# Altium PCB Waffling60-MX.PcbDoc (part 3 of 3)
Units mm, origin at the board's own origin, x right, y up, seen from the top; angles counter-clockwise.
Board outline 284.7 x 94.21 mm, 2 copper layers (Component Side, Bottom Layer), stack 1.571 mm thick; 201 components, 133 nets, 961 pads, 205 vias.
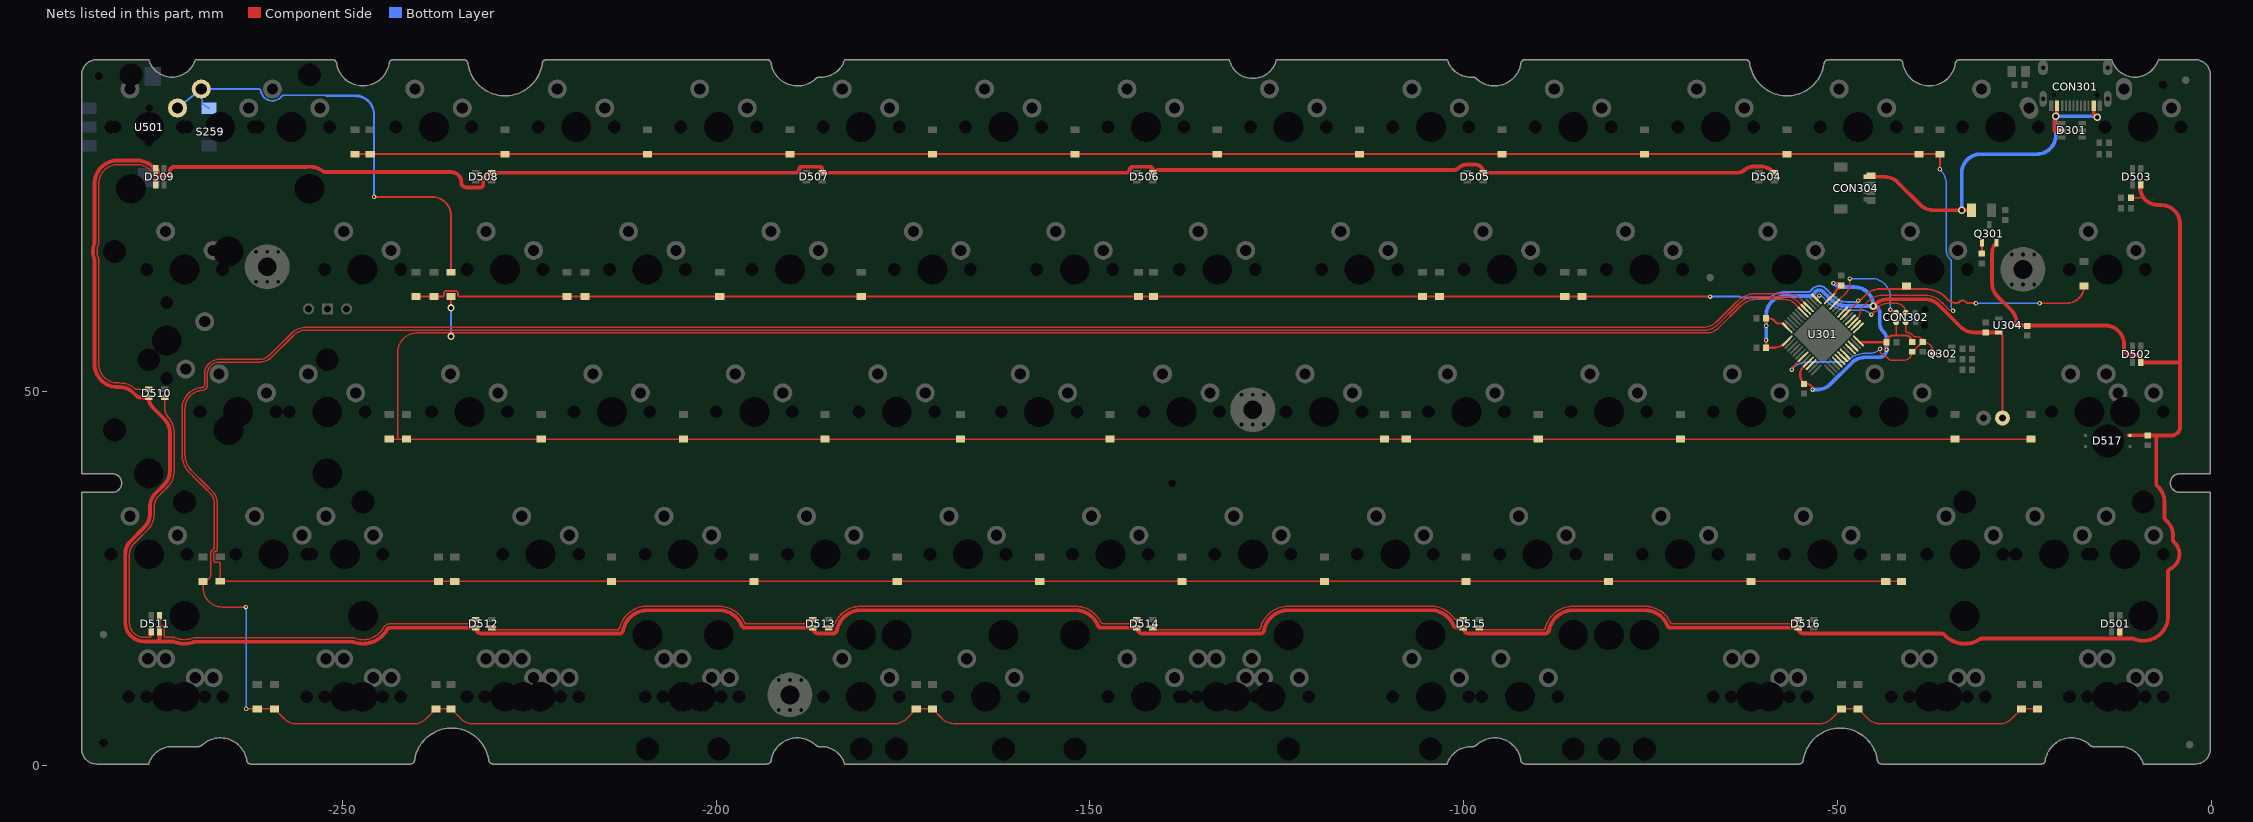
[diagram p3: the nets of this part, all layers, seen from the top]

## Via types
v1: diameter 0.6, hole 0.3, Component Side to Bottom Layer, tented both sides, 163 vias
v2: diameter 0.6, hole 0.3, Component Side to Bottom Layer, tented bottom, 25 vias
v3: diameter 1, hole 0.5, Component Side to Bottom Layer, tented both sides, 14 vias
v4: diameter 1, hole 0.6, Component Side to Bottom Layer, tented both sides, 3 vias

## Nets (pads, with @x,y where several pads share a name; then routed paths per layer and width w, separated by ;. In a path a pad name is that pad's centre, name@x,y a point inside that pad or via, vN(x,y) a via of type N, cw(c..) or ccw(c..) an arc to the next point about the centre after c; other vN are vias at no path point) (continued)
NetD509_2: D509.2 D510.4 | length 88.1
  Component Side w0.203: -282.599,67.832 cw(c-280.471,68.783) -282.599,69.734 ; -282.599,67.832 cw(c-282.784,67.749) -282.581,67.748 ; -282.599,67.832 cw(c-280.471,68.783) -282.599,69.734 ; -282.599,67.832 cw(c-282.784,67.749) -282.581,67.748 ; -282.599,69.734 ccw(c-282.784,69.817) -282.581,69.818 ; -282.599,69.734 ccw(c-282.784,69.817) -282.581,69.818 ; -282.581,53.721 ccw(c-280.041,53.721) -280.041,51.181 ; -282.581,53.721 ccw(c-280.041,53.721) -280.041,51.181 ; -282.581,53.721 -282.581,67.748 ; -282.581,53.721 -282.581,67.748 ; -282.581,69.818 -282.581,77.85 ; -282.581,69.818 -282.581,77.85 ; -282.581,77.85 cw(c-280.041,77.85) -280.041,80.39 ; -282.581,77.85 cw(c-280.041,77.85) -280.041,80.39 ; -280.041,51.181 cw(c-280.041,53.721) -280.629,51.25 ccw(c-280.041,53.721) -280.041,51.181 ; -280.041,51.181 -279.761,51.181 ; -280.041,51.181 -279.761,51.181 ; -280.041,80.39 -277.496,80.39 ; -280.041,80.39 -277.496,80.39 ; -279.761,51.181 cw(c-279.761,48.085) -277.689,50.386 ; -279.761,51.181 cw(c-279.761,48.085) -277.689,50.386 ; -277.689,50.386 ccw(c-277.554,50.537) -277.554,50.334 ; -277.689,50.386 ccw(c-277.554,50.537) -277.554,50.334 ; -277.554,50.334 D510.4@-275.899,50.334 ; -277.554,50.334 D510.4@-275.899,50.334 ; -277.496,80.39 cw(c-277.496,77.85) -275.664,79.609 ; -277.496,80.39 cw(c-277.496,77.85) -275.664,79.609 ; D510.4@-275.899,50.334 -276.002,50.437 D510.4@-275.899,50.334 ; -275.664,79.609 cw(c-275.811,79.469) -275.608,79.468 ; -275.664,79.609 cw(c-275.811,79.469) -275.608,79.468 ; -275.608,79.315 ccw(c-275.306,79.315) -275.343,79.016 ; -275.608,79.315 ccw(c-275.306,79.315) -275.343,79.016 ; -275.608,79.315 -275.608,79.468 ; -275.608,79.315 -275.608,79.468 ; -275.343,79.016 cw(c-275.367,78.814) -275.182,78.897 ; -275.343,79.016 cw(c-275.367,78.814) -275.182,78.897 ; -275.182,78.897 cw(c-277.496,77.85) D509.2@-274.956,77.85 ; -275.182,78.897 cw(c-277.496,77.85) D509.2@-274.956,77.85 ; D509.2@-274.956,77.85 D509.2@-274.956,77.685 D509.2@-274.956,77.85
NetD510_2: D510.2 D511.4 | length 37.2
  Component Side w0.203: D511.4@-275.556,17.935 -275.556,17.348 cw(c-275.759,17.348) -275.759,17.145 -276.485,17.145 cw(c-276.485,19.123) -278.463,19.123 -278.463,20.32 -278.463,28.285 cw(c-276.479,28.285) -277.881,29.689 -277.356,30.214 -276.067,31.503 ccw(c-278.257,33.691) -275.164,33.577 cw(c-274.961,33.567) -275.162,33.59 ccw(c-277.686,33.881) -275.146,33.881 -275.146,34.885 cw(c-273.177,34.635) -274.579,36.039 -273.864,36.755 -273.4,37.218 ccw(c-275.59,39.406) -272.532,38.928 ccw(c-275.59,39.406) -272.494,39.406 -272.494,44.541 ccw(c-275.59,44.541) -272.5,44.721 ; D510.2@-273.763,49.234 -273.763,47.948 ccw(c-271.603,47.948) -273.358,46.689 ccw(c-273.193,46.807) -273.342,46.669 ccw(c-273.193,46.807) -273.341,46.668 cw(c-275.59,44.541) -272.5,44.721
NetD511_2: D511.2 D512.4 | length 47.5
  Component Side w0.203: D511.2@-274.197,20.489 cw(c-274.396,20.449) -274.193,20.45 -274.193,20.328 cw(c-274.456,20.328) -274.207,20.242 D511.2@-274.456,20.065 -274.32,19.667 -274.32,18.92 ccw(c-274.117,18.92) -274.117,18.717 -274.106,18.717 cw(c-274.106,18.435) -273.824,18.435 -273.824,17.411 ccw(c-273.431,17.411) -273.802,17.279 ccw(c-273.61,17.348) -273.61,17.145 -272.511,17.145 cw(c-272.512,16.942) -272.429,17.127 ccw(c-271.118,20.01) -269.855,17.106 -248.546,17.106 cw(c-248.547,16.903) -248.517,17.104 cw(c-248.547,16.903) -248.469,17.09 ccw(c-247.242,20.01) -248.421,17.071 ccw(c-247.242,20.01) -246.938,16.858 ccw(c-246.938,17.543) -246.779,16.876 cw(c-246.733,16.679) -246.764,16.879 ccw(c-247.242,20.01) -245.556,17.329 ; -246.03,17.084 ccw(c-247.242,20.01) -244.482,18.457 ; -244.665,18.17 ccw(c-247.242,20.01) -244.484,18.453 cw(c-243.574,17.942) -244.482,18.457 ; D512.4@-232.154,19.55 -232.674,19.55 ccw(c-232.674,19.195) -233.029,19.195 cw(c-233.555,19.195) -233.029,19.184 cw(c-233.232,19.189) -233.231,18.986 -243.576,18.986 ccw(c-243.574,17.942) -244.482,18.457
NetD512_2: D512.2 D513.4 | length 45.8
  Component Side w0.203: D512.2@-230.024,18.45 -229.834,18.202 -229.834,18.189 ccw(c-229.821,18.392) -229.821,18.189 -213.125,18.189 ccw(c-213.126,18.392) -212.929,18.345 cw(c-209.174,17.47) -208.987,21.32 ccw(c-208.978,21.523) -208.979,21.32 -199.845,21.32 ccw(c-199.846,21.523) -199.837,21.32 cw(c-199.649,17.47) -199.649,21.325 cw(c-199.649,17.47) -197.027,20.296 cw(c-199.649,17.47) -196.157,19.102 ccw(c-195.973,19.189) -195.974,18.986 -188.024,18.986 ccw(c-188.024,19.304) -187.706,19.304 cw(c-187.46,19.304) -187.46,19.55 D513.4@-187.071,19.55
NetD513_2: D513.2 D514.4 | length 43.7
  Component Side w0.203: D513.2@-184.941,18.45 -184.496,18.45 ccw(c-184.496,19.431) -184.463,18.451 ccw(c-184.471,18.654) -184.277,18.593 cw(c-180.589,17.47) -182.35,20.899 cw(c-180.589,17.47) -180.594,21.325 -179.451,21.325 -152.037,21.325 cw(c-152.037,20.281) -152.023,21.325 cw(c-151.993,17.47) -149.934,20.729 ccw(c-149.826,20.901) -149.924,20.723 -149.857,20.686 cw(c-149.955,20.508) -149.811,20.652 -149.799,20.64 cw(c-149.943,20.497) -149.798,20.639 cw(c-151.993,17.47) -149.707,20.574 cw(c-151.993,17.47) -148.561,19.225 ccw(c-148.381,19.319) -148.525,19.176 cw(c-148.67,19.034) -148.509,19.158 -148.437,19.065 ccw(c-148.276,19.189) -148.277,18.986 -144.717,18.986 ccw(c-144.717,19.431) -144.272,19.431 cw(c-144.153,19.431) -144.153,19.55 D514.4@-143.721,19.55
NetD514_2: D514.2 D515.4 | length 43.7
  Component Side w0.203: D514.2@-141.591,18.45 -141.193,18.202 -127.397,18.202 ccw(c-127.398,18.405) -127.2,18.357 cw(c-123.449,17.47) -123.44,21.325 -104.44,21.325 cw(c-104.431,17.47) -104.422,21.325 -104.376,21.325 cw(c-104.376,20.281) -104.33,21.324 -104.304,21.323 -104.284,21.322 cw(c-104.431,17.47) -101.244,19.638 ccw(c-101.076,19.753) -101.078,19.55 D515.4@-100.071,19.55
NetD515_2: D515.2 D516.4 | length 45.8
  Component Side w0.203: D515.2@-97.941,18.45 -97.734,18.45 cw(c-97.734,18.247) -97.539,18.302 -97.536,18.202 -89.367,18.202 ccw(c-89.367,20.447) -89.29,18.203 ccw(c-89.298,18.406) -89.101,18.358 cw(c-85.349,17.47) -87.204,20.85 ; -87.457,20.698 cw(c-85.349,17.47) -85.326,21.325 -80.614,21.325 cw(c-80.59,17.47) -80.566,21.325 -75.848,21.325 cw(c-75.824,17.47) -75.821,21.325 -75.751,21.325 cw(c-75.75,19.288) -75.575,21.317 -75.537,21.314 -75.512,21.312 cw(c-75.824,17.47) -75.465,21.308 -75.425,21.304 cw(c-75.603,19.276) -75.288,21.288 -75.237,21.28 cw(c-75.824,17.47) -73.202,20.295 cw(c-75.824,17.47) -72.332,19.102 ccw(c-72.148,19.189) -72.15,18.986 -56.209,18.986 ccw(c-56.21,19.189) -56.007,19.177 cw(c-55.634,19.177) -55.634,19.55 D516.4@-55.288,19.55
NetQ301_1: Q301.1 R307.1 | length 1.5
  Component Side w0.254: R307.1@-30.734,68.468 ccw(c-30.734,68.534) -30.668,68.534 Q301.1@-30.668,69.92
NRST: C310.1 CON302.3 Q302.3 R303.2 U301.7 | length 29.1
  Component Side w0.203: v1@-56.134,52.959 v1(-56.134,52.967) -56.134,53.161 U301.7@-54.781,54.515 ; v1(-44.315,55.753) -44.315,55.692 -44.315,55.317 ccw(c-44.112,55.314) -44.196,55.129 cw(c-45.466,52.306) -43.277,54.494 -43.159,54.377 ccw(c-42.802,54.734) -42.854,54.232 ccw(c-42.802,54.734) -42.802,54.229 -41.158,54.229 ccw(c-41.158,55.357) -40.03,55.357 R303.2@-40.005,55.357 -39.682,55.655 -38.931,56.359 C310.1@-38.608,56.657 ; CON302.3@-40.894,59.309 -40.894,58.153 ccw(c-40.691,58.154) -40.717,57.953 cw(c-40.879,56.657) -40.302,57.828 cw(c-40.879,56.657) -39.796,57.386 ccw(c-39.628,57.5) -39.751,57.339 -39.37,57.339 cw(c-39.37,56.261) -38.608,57.023 C310.1@-38.608,56.657 ; Q302.3@-37.141,55.118 -37.141,55.19 ccw(c-38.608,55.19) C310.1@-38.608,56.657
  Bottom Layer w0.203: v1(-56.134,52.967) -55.859,53.242 cw(c-54.063,51.446) -54.063,53.986 -49.259,53.986 ccw(c-49.259,56.117) -48.714,54.057 ccw(c-48.767,54.253) -48.624,54.108 -48.49,54.242 ; -48.49,54.243 cw(c-46.319,52.07) -47.85,54.733 cw(c-46.319,52.07) -47.557,54.881 cw(c-46.319,52.07) -46.319,55.142 -45.593,55.142 ccw(c-45.593,56.751) -44.455,55.613 v1(-44.315,55.753)
PA0: U301.10
PA6: U301.16
PA7: U301.17
PA9: D215.2 D216.2 D217.2 D218.2 D219.2 D220.2 D221.2 D222.2 D223.2 D224.2 D225.2 D226.2 D227.2 D228.2 U301.30 | length 231
  Component Side w0.254: D227.2@-240.157,62.73 D228.2@-237.744,62.73 -236.629,62.73 ccw(c-236.629,62.984) -236.375,62.984 -236.375,63.185 cw(c-236.068,63.185) -236.068,63.492 -234.848,63.492 cw(c-234.848,63.185) -234.541,63.185 -234.541,62.992 ccw(c-234.287,62.992) -234.287,62.738 -220.447,62.738 D226.2@-219.964,62.73 D225.2@-217.551,62.73 D224.2@-199.517,62.73 D223.2@-180.594,62.73 D222.2@-143.51,62.73 D221.2@-141.478,62.73 D220.2@-105.537,62.73 D219.2@-103.251,62.73 D218.2@-86.487,62.73 D217.2@-84.201,62.73 -82.812,62.73 -82.804,62.738 v1(-67.056,62.738) ; U301.30@-48.806,60.49 v1@-47.315,61.98 ; v1@-47.182,62.264 -46.938,62.264 -46.198,63.004 cw(c-44.402,61.208) -44.402,63.748 -38.221,63.748 cw(c-38.221,61.347) -38.008,63.739 ccw(c-37.987,63.992) -38.006,63.738 cw(c-38.28,59.834) -35.716,62.791 ; -36.704,63.417 cw(c-38.28,59.834) -35.716,62.791 ; v1(-31.496,61.849) ccw(c-31.615,61.625) -31.615,61.879 -32.585,61.879 cw(c-32.584,62.133) -32.787,61.98 ccw(c-33.274,61.618) -33.761,61.98 cw(c-33.964,62.133) -33.963,61.879 -34.006,61.879 ccw(c-34.006,61.468) -34.008,61.879 -34.255,61.879 cw(c-34.255,63.169) -35.168,62.257 -35.509,62.599 ccw(c-38.28,59.834) -35.716,62.791 ; v1(-22.987,61.849) -19.32,61.849 ccw(c-19.32,64.151) D215.2@-17.018,64.151
  Bottom Layer w0.254: v1(-67.056,62.738) -63.107,62.738 -62.98,62.611 -59.124,62.611 ccw(c-59.126,62.865) -58.966,62.667 cw(c-57.008,60.268) -57.008,63.365 -53.794,63.365 ccw(c-53.795,63.619) -53.574,63.494 cw(c-52.451,62.865) -51.542,63.776 cw(c-52.451,62.865) -51.54,63.774 cw(c-52.451,62.865) -51.452,63.676 ccw(c-51.255,63.837) -51.415,63.64 cw(c-52.094,62.789) -51.326,63.56 cw(c-52.094,62.789) -51.324,63.558 cw(c-52.094,62.789) -51.323,63.557 -50.97,63.204 ; -50.969,63.203 -50.535,62.769 ; -50.534,62.768 ccw(c-48.739,64.565) -48.739,62.025 -47.515,62.025 ; v1(-31.496,61.849) v1(-22.987,61.849)
  other v1: -47.249,62.198
PA10: U301.31
PB0: U301.18
PB1: U301.19
PB4: D241.2 D256.2 D257.2 D258.2 D260.2 D261.2 D262.2 D263.2 D264.2 D265.2 D266.2 U301.40 | length 518
  Component Side w0.203: v1@-262.89,7.62 ccw(c-262.85,7.62) -262.85,7.58 D266.2@-261.366,7.58 D241.2@-259.08,7.58 -257.824,6.324 ccw(c-256.028,8.12) -256.028,5.58 -240.542,5.58 ccw(c-240.542,8.12) -238.746,6.324 D264.2@-237.49,7.58 D265.2@-235.458,7.58 -234.202,6.324 ccw(c-232.406,8.12) -232.406,5.58 -231.394,5.58 -215.265,5.58 -176.28,5.58 ccw(c-176.28,8.12) -174.484,6.324 D263.2@-173.228,7.58 D262.2@-171.069,7.58 -169.821,6.332 ccw(c-168.025,8.128) -168.025,5.588 -104.648,5.588 -104.648,5.58 -69.342,5.58 -59.309,5.58 -52.534,5.58 ; v1(-262.89,21.209) -266.065,21.209 cw(c-266.065,23.749) -268.605,23.749 D256.2@-268.605,24.63 ccw(c-268.605,25.641) -267.594,25.641 -267.594,28.379 cw(c-266.929,28.379) -267.223,28.975 ccw(c-267.314,29.157) -267.111,29.156 -267.111,35.143 ccw(c-268.859,35.143) -267.347,36.021 ccw(c-267.522,35.917) -267.353,36.031 -267.366,36.05 cw(c-266.878,36.375) -267.379,36.07 -267.407,36.116 ccw(c-267.581,36.011) -267.413,36.125 ccw(c-268.859,35.143) -267.628,36.384 -268.339,37.096 -269.621,38.377 -270.449,39.205 ccw(c-270.593,39.061) -270.451,39.207 cw(c-270.182,39.48) -270.456,39.213 -270.709,39.465 cw(c-270.565,39.608) -270.764,39.568 cw(c-268.097,41.565) -271.429,41.565 -271.429,47.752 cw(c-268.605,47.752) -268.87,50.563 ccw(c-268.89,50.766) -268.849,50.567 cw(c-268.77,50.192) -268.771,50.575 ccw(c-268.77,50.922) -268.423,50.922 -268.423,52.3 ccw(c-268.626,52.299) -268.423,52.307 cw(c-266.49,52.395) -266.4,54.328 ccw(c-266.392,54.531) -266.393,54.328 -261.179,54.328 ccw(c-261.179,56.484) -259.652,54.96 -258.462,56.151 -256.838,57.775 cw(c-254.77,55.709) -254.77,58.632 -67.955,58.632 ccw(c-67.955,61.172) -66.159,59.376 -63.548,61.987 cw(c-60.833,59.282) -63.538,61.997 cw(c-60.833,59.282) -62.514,62.726 ccw(c-62.604,62.908) -62.505,62.731 cw(c-61.057,60.191) -61.057,63.115 -56.69,63.115 cw(c-56.69,60.575) -54.894,62.371 U301.40@-54.074,61.55 ; -52.534,5.58 ccw(c-52.534,8.12) -51.882,5.665 ccw(c-52.534,8.12) -51.482,5.808 ccw(c-52.534,8.12) -50.738,6.324 D260.2@-49.482,7.58 D261.2@-47.244,7.58 -45.988,6.324 ccw(c-44.192,8.12) -44.192,5.58 -28.452,5.58 ccw(c-28.452,8.12) -26.656,6.324 D258.2@-25.4,7.58 D257.2@-23.241,7.58
  Bottom Layer w0.203: v1(-262.89,21.209) cw(c-262.89,21.169) -262.85,21.169 v1(-262.85,7.62)
PB5: D242.2 D243.2 D244.2 D245.2 D246.2 D247.2 D248.2 D249.2 D250.2 D251.2 D252.2 D253.2 D254.2 D255.2 U301.41 | length 475.4
  Component Side w0.203: -269.226,50.112 cw(c-268.605,47.752) -268.809,50.184 ; -266.695,53.933 ccw(c-266.49,52.395) -268.039,52.313 -268.039,50.922 cw(c-268.77,50.922) -268.04,50.884 cw(c-268.77,50.922) -268.77,50.192 cw(c-268.828,50.386) -268.809,50.184 ; -266.694,53.933 cw(c-266.49,52.395) -266.407,53.944 -261.179,53.944 ccw(c-261.179,56.484) -259.383,54.688 -256.566,57.505 cw(c-254.77,55.709) -254.77,58.249 -67.797,58.249 ccw(c-67.797,60.789) -66,58.993 -63.277,61.717 cw(c-60.833,59.282) -63.268,61.725 cw(c-60.833,59.282) -62.336,62.387 ccw(c-62.425,62.569) -62.325,62.393 cw(c-61.057,60.191) -61.057,62.731 -57.014,62.731 cw(c-57.014,60.191) -55.218,61.987 U301.41@-54.427,61.197 ; D244.2@-41.468,24.63 D243.2@-43.561,24.63 D245.2@-61.595,24.63 D246.2@-80.645,24.63 D247.2@-99.695,24.63 D248.2@-118.618,24.63 D249.2@-137.668,24.63 D250.2@-156.718,24.63 D251.2@-175.768,24.63 D252.2@-194.945,24.63 D253.2@-213.995,24.63 D254.2@-234.95,24.63 D255.2@-237.109,24.63 -266.261,24.63 cw(c-266.261,24.712) D242.2@-266.319,24.654 -266.319,26.984 ccw(c-266.522,26.984) -266.522,27.187 -266.929,27.187 cw(c-266.929,27.469) -267.211,27.469 -267.211,28.379 cw(c-266.929,28.379) -266.929,28.661 ccw(c-266.931,28.864) -266.728,28.863 -266.728,35.143 ccw(c-268.859,35.143) -267.023,36.225 ccw(c-267.197,36.12) -267.028,36.233 -267.047,36.262 cw(c-266.878,36.375) -267.052,36.269 -267.085,36.324 ccw(c-267.258,36.218) -267.089,36.331 ccw(c-268.859,35.143) -267.355,36.653 -268.068,37.367 -270.18,39.478 ccw(c-270.323,39.334) -270.182,39.48 ccw(c-270.326,39.337) -270.184,39.482 -270.19,39.488 cw(c-269.422,40.259) -270.205,39.504 cw(c-268.097,41.565) -271.046,41.565 -271.046,47.752 cw(c-268.605,47.752) -268.809,50.184
PB6: D228_2.2 D229.2 D230.2 D231.2 D232.2 D233.2 D234.2 D235.2 D236.2 D237.2 D238.2 D239.2 D240.2 D259.2 U301.42 | length 427.9
  Component Side w0.203: D228_2.2@-243.713,43.68 -242.57,43.68 ; v3(-235.458,61.214) D259.2@-235.458,62.73 ; U301.42@-54.781,60.843 -55.706,61.769 ccw(c-57.105,60.37) -57.105,62.348 -60.833,62.348 ccw(c-60.833,59.282) -62.998,61.454 ccw(c-60.833,59.282) -63.005,61.447 -65.842,58.61 cw(c-67.638,60.406) -67.638,57.866 -70.104,57.866 -188.341,57.866 -189.096,57.866 -196.849,57.866 ccw(c-196.852,57.662) -196.852,57.866 -231.267,57.866 -240.03,57.866 ccw(c-240.03,55.326) -242.57,55.326 -242.57,43.68 ; D229.2@-24.13,43.68 D230.2@-34.29,43.68 D231.2@-70.993,43.68 D232.2@-90.043,43.68 D235.2@-147.32,43.68 D236.2@-167.32,43.68 D237.2@-185.42,43.68 D238.2@-204.343,43.68 D239.2@-223.393,43.68 D240.2@-241.427,43.68 -242.57,43.68
  Bottom Layer w0.203: v3(-235.458,57.404) v3(-235.458,61.214)
PB10: U301.21
PB11: U301.22
PB12: U301.25
PB13: U301.26
PB14: D201.2 D202.2 D203.2 D204.2 D205.2 D206.2 D207.2 D208.2 D209.2 D210.2 D211.2 D212.2 D213.2 D214.2 U301.27 | length 249.2
  Component Side w0.203: U301.27@-47.745,59.429 -47.269,59.905 ccw(c-47.944,60.579) -46.99,60.579 cw(c-45.924,60.579) -46.678,61.333 -45.849,62.161 cw(c-44.053,60.365) -44.053,62.905 -38.28,62.905 cw(c-38.28,59.834) -36.108,62.006 -35.936,61.834 -35.765,61.662 ccw(c-34.255,63.169) -35.761,61.659 -35.212,61.11 ccw(c-34.544,61.777) v1(-34.544,60.833)
  Component Side w0.254: D214.2@-248.285,81.78 D213.2@-246.253,81.78 D212.2@-228.219,81.78 D211.2@-209.169,81.78 D210.2@-190.119,81.78 D209.2@-171.069,81.78 D208.2@-152.019,81.78 D207.2@-132.969,81.78 D206.2@-113.919,81.78 D205.2@-94.869,81.78 D204.2@-75.819,81.78 D203.2@-56.769,81.78 D201.2@-39.116,81.78 D202.2@-36.322,81.78 v1(-36.322,79.756)
  Bottom Layer w0.203: v1(-36.322,79.756) -36.209,79.643 cw(c-38.005,77.847) -35.465,77.847 -35.465,68.981 cw(c-35.668,68.982) -35.465,68.975 ; -35.465,68.833 cw(c-33.915,68.905) -35.465,68.974 ; v1(-34.544,60.833) cw(c-33.931,61.446) -34.798,61.446 -34.798,67.528 ccw(c-35.001,67.527) -34.875,67.686 cw(c-33.915,68.905) -35.465,68.975
PB15: U301.28
RAW: CON301.A4B9 CON301.B4A9 CON304.1 D301.5 F301.2 | length 48.8
  Component Side w0.5: CON304.1@-44.979,78.75 -43.734,78.75 cw(c-43.734,76.21) -41.938,78.006 -38.971,75.039 ccw(c-37.175,76.835) -37.175,74.295 v4(-33.401,74.295) F301.2@-32.084,74.295 ; v4@-20.898,86.432 ccw(c-20.544,86.188) -20.974,86.188 -20.974,84.963 D301.5@-20.044,84.963 ; v4(-20.811,86.87) -20.811,87.005 -20.65,87.166 CON301.B4A9@-20.65,88.25 ; CON301.A4B9@-15.75,88.25 -15.75,87.251 ccw(c-15.24,87.251) v4(-15.24,86.741)
  Bottom Layer w0.5: v4(-33.401,74.295) -33.401,79.248 cw(c-30.861,79.248) -30.861,81.788 -23.351,81.788 ccw(c-23.351,84.328) -20.811,84.328 v4(-20.811,86.87) -15.369,86.87 cw(c-15.369,86.741) v4(-15.24,86.741)
ROT_SW_A1: D259.1 S259.1 U501.2 | length 71.1
  Component Side w0.254: v1(-245.745,76.073) -237.998,76.073 cw(c-237.998,73.533) -235.458,73.533 D259.1@-235.458,66
  Bottom Layer w0.254: S259.1@-272.04,87.955 S259.1@-268.865,90.495 ; U501.2@-267.85,87.915 -268.723,88.538 S259.1@-268.865,90.495 ; v1(-245.745,76.073) -245.745,86.995 ; S259.1@-268.865,90.495 -261.152,90.495 cw(c-261.153,90.241) -260.902,90.277 ccw(c-259.34,90.495) -258.676,89.065 ccw(c-259.34,90.495) -258.07,89.56 cw(c-257.867,89.408) -257.868,89.662 -252.327,89.662 ; -252.327,89.662 cw(c-252.327,89.408) -252.148,89.588 -252.095,89.535 -248.285,89.535 cw(c-248.285,86.995) -245.745,86.995 ; -252.327,89.662 -248.285,89.662 cw(c-248.285,87.122) -245.745,87.122 -245.745,86.995
SWCLK: CON302.4 U301.37 | length 14.2
  Component Side w0.203: U301.37@-53.013,62.611 -52.96,62.558 -52.896,62.558 v1@-52.665,62.789 ; v1(-45.477,60.325) -45.257,60.545 ccw(c-45.672,60.96) -45.194,60.619 cw(c-45.029,60.5) -45.068,60.7 ccw(c-45.212,61.468) -44.66,60.914 ccw(c-45.212,61.468) -44.436,61.375 cw(c-44.234,61.35) -44.345,61.52 cw(c-43.254,59.834) -43.254,61.842 -42.157,61.842 cw(c-42.157,60.579) CON302.4@-40.894,60.579
  Bottom Layer w0.203: v1(-52.451,62.865) -52.26,62.865 cw(c-52.261,62.662) -52.133,62.819 ccw(c-51.476,63.615) -52.104,62.796 cw(c-52.228,62.636) -52.095,62.789 cw(c-52.228,62.636) -52.084,62.779 -51.84,62.534 -51.742,62.437 ; -51.741,62.436 ccw(c-51.008,63.162) -51.735,62.43 -51.427,62.122 cw(c-51.696,61.849) -51.426,62.121 cw(c-51.696,61.849) -51.425,62.119 cw(c-51.696,61.849) -51.424,62.118 -51.305,61.999 ccw(c-48.739,64.565) -51.302,61.997 ccw(c-48.739,64.565) -48.739,60.936 -46.953,60.936 cw(c-46.953,58.849) v1(-45.477,60.325)
SWDIO: CON302.2 U301.34 | length 14.4
  Component Side w0.203: U301.34@-50.146,61.934 cw(c-50.22,62.008) U301.34@-50.22,61.904 -49.459,62.664 -49.416,62.664 ; U301.34@-50.146,61.935 -49.416,62.664 ; v1@-48.377,64.987 ccw(c-48.184,64.924) -48.387,64.924 -48.387,64.421 cw(c-50.144,64.421) -48.902,63.179 -49.416,62.664 ; v1(-42.926,60.96) -42.85,60.884 -42.628,60.884 -42.323,60.579 CON302.2@-42.164,60.579
  Bottom Layer w0.203: v1(-48.379,65.151) -45.466,65.151 cw(c-45.466,62.611) -42.926,62.611 v1(-42.926,60.96)
VCC: C307.2 C517.2 D501.1 D502.1 D503.1 D504.1 D505.1 D506.1 D507.1 D508.1 D509.1 D510.1 D511.1 D512.1 D513.1 D514.1 D515.1 D516.1 D517.1 Q301.2 R306.1 U304.3 | length 705.5
  Component Side w0.203: R306.1@-10.78,75.946 -9.144,75.946
  Component Side w0.5: Q301.2@-28.768,69.92 ccw(c-27.394,68.546) -29.337,68.546 -29.337,64.552 ccw(c-26.797,64.552) -28.593,62.756 -26.807,60.97 cw(c-28.603,59.174) -26.063,59.174 U304.3@-26.063,58.871 -14.224,58.871 cw(c-14.224,56.331) -11.684,56.331 -11.684,55.88 ccw(c-10.795,55.88) -10.795,54.991 -9.984,54.991 cw(c-9.984,54.463) -9.456,54.463 ; -11.107,44.172 D517.1@-10.857,44.172 -8.553,44.172 cw(c-8.553,44.097) C517.2@-8.5,44.15 -7.366,44.15 -5.367,44.15 ccw(c-5.367,45.326) -4.191,45.326 -4.191,51.51
  Component Side w0.508: D509.1@-275.263,79.994 ccw(c-277.496,77.85) -275.537,80.247 ccw(c-277.496,77.85) -275.539,80.248 ccw(c-277.496,77.85) -277.491,80.946 -280.041,80.946 ccw(c-280.041,77.85) -283.125,78.119 ccw(c-280.041,77.85) -283.137,77.85 -283.137,69.988 cw(c-283.645,69.986) -283.17,69.806 ccw(c-280.471,68.783) -283.17,67.76 cw(c-283.645,67.58) -283.137,67.578 -283.137,53.721 ccw(c-280.041,53.721) -281.322,50.903 ccw(c-280.041,53.721) -280.041,50.625 -279.761,50.625 cw(c-279.761,48.085) -277.964,49.881 -277.501,49.418 ccw(c-277.057,49.862) -277.057,49.234 D510.1@-275.899,49.234 ccw(c-273.972,49.234) -275.335,47.872 -273.8,46.337 cw(c-275.596,44.541) -273.056,44.541 -273.056,39.406 cw(c-275.596,39.406) -273.8,37.61 -274.979,36.431 ccw(c-273.183,34.635) -275.723,34.635 -275.723,33.691 cw(c-278.263,33.691) -276.467,31.895 -278.281,30.081 ccw(c-276.485,28.285) -278.749,29.436 ccw(c-276.485,28.285) -279.025,28.285 -279.025,19.149 ccw(c-276.485,19.149) -276.485,16.609 -272.682,16.609 cw(c-272.683,16.101) -272.496,16.573 ccw(c-271.118,20.01) -269.833,16.538 cw(c-269.654,16.062) -269.655,16.57 -248.705,16.57 cw(c-248.706,16.062) -248.531,16.539 ccw(c-247.242,20.01) -246.927,16.321 cw(c-246.88,15.815) -246.898,16.323 ccw(c-246.938,17.543) -246.683,16.349 cw(c-246.576,15.853) -246.657,16.354 ccw(c-247.242,20.01) -246.452,16.393 ccw(c-247.242,20.01) -245.768,16.614 ; D509.1@-274.956,79.815 cw(c-275.168,79.353) -274.66,79.353 -274.66,79.315 ccw(c-274.206,79.315) -274.206,78.861 -273.506,78.861 ccw(c-273.506,79.315) -273.052,79.315 -273.052,79.52 cw(c-272.497,79.52) -272.497,80.074 -270.643,80.074 -254.901,80.074 ccw(c-254.901,80.582) -254.827,80.08 ccw(c-254.901,80.582) -254.825,80.08 cw(c-254.387,77.16) -253.913,80.075 cw(c-254.387,77.16) -252.581,79.496 ccw(c-252.27,79.898) -252.27,79.39 -238.258,79.39 -235.485,79.39 ; -274.456,16.927 D511.1@-274.456,17.935 ; -245.825,16.589 ccw(c-247.242,20.01) -244.744,17.277 ccw(c-247.242,20.01) -244.017,18.192 cw(c-243.574,17.942) -244.016,18.193 cw(c-243.574,17.942) -243.576,18.45 D512.1@-232.154,18.45 ccw(c-231.357,18.45) -231.357,17.653 -212.937,17.653 ccw(c-212.939,18.161) -212.439,18.068 cw(c-209.174,17.47) -211.577,19.76 cw(c-209.174,17.47) -208.997,20.784 -199.839,20.784 ccw(c-199.841,21.292) -199.817,20.785 ; -235.464,79.39 cw(c-235.464,78.003) -234.077,78.003 -234.077,78 ccw(c-233.42,78) -233.424,77.343 ccw(c-233.417,79.39) -233.417,77.343 -231.527,77.343 ccw(c-231.527,77.724) -231.146,77.724 -231.146,78.178 cw(c-230.024,78.178) D508.1@-230.024,79.3 ; D508.1@-230.018,79.306 D508.1@-230.024,79.3 ; -199.842,20.784 cw(c-199.649,17.47) -199.817,20.785 ; -188.885,79.727 cw(c-189.386,79.815) -189.232,79.33 cw(c-189.428,79.947) -189.428,79.3 D508.1@-230.024,79.3 ; -188.885,79.728 cw(c-188.438,79.65) -188.782,79.947 cw(c-188.624,79.947) -188.624,80.104 -186.158,80.104 cw(c-186.158,79.768) -185.822,79.768 -185.822,79.3 D507.1@-185.808,79.3 -145.242,79.3 -145.17,79.3 ccw(c-145.17,79.808) -144.669,79.725 cw(c-144.221,79.65) -144.221,80.104 -142.028,80.104 cw(c-142.028,79.667) -141.591,79.667 ; -149.305,19.417 cw(c-151.993,17.47) -148.934,18.759 ; D506.1@-141.591,79.3 cw(c-140.705,78.414) -140.705,79.667 -101.418,79.667 ccw(c-101.418,80.838) -100.59,80.01 cw(c-99.67,79.09) -99.67,80.391 -98.465,80.391 cw(c-98.465,79.3) D505.1@-97.374,79.3 -63.387,79.3 ccw(c-63.387,80.645) -62.671,79.506 ccw(c-63.387,80.645) -62.583,79.566 ; -102.59,20.232 cw(c-104.431,17.47) -101.372,18.759 ccw(c-100.905,18.958) -100.907,18.45 D515.1@-100.071,18.45 ccw(c-99.287,18.45) -99.287,17.666 -89.109,17.666 ccw(c-89.111,18.174) -88.612,18.08 cw(c-85.349,17.47) -88.061,19.384 cw(c-85.349,17.47) -87.409,20.073 cw(c-85.349,17.47) -85.328,20.789 -83.82,20.789 -80.612,20.789 cw(c-80.59,17.47) -80.567,20.789 -75.847,20.789 cw(c-75.824,17.47) -75.802,20.789 -75.75,20.789 cw(c-75.75,19.288) -75.623,20.784 -75.579,20.78 cw(c-75.824,17.47) -75.516,20.775 -75.47,20.771 cw(c-75.603,19.276) -75.372,20.759 -75.317,20.75 cw(c-75.824,17.47) -72.766,18.759 ccw(c-72.298,18.958) -72.3,18.45 D516.1@-55.288,18.45 ccw(c-54.504,18.45) -54.504,17.666 -36.09,17.666 cw(c-36.092,17.158) -35.719,17.503 ccw(c-32.994,20.01) -31.989,16.447 ; -102.183,19.912 ccw(c-104.431,17.47) -104.121,20.775 ccw(c-104.431,17.47) -104.301,20.787 -104.324,20.787 cw(c-104.306,21.295) -104.327,20.788 -104.355,20.789 ccw(c-104.376,20.281) -104.376,20.789 -104.423,20.789 ccw(c-104.431,17.47) -104.439,20.789 -123.441,20.789 ccw(c-123.449,17.47) -123.669,20.782 ccw(c-123.449,17.47) -126.712,18.079 cw(c-127.211,18.174) -127.209,17.666 -142.937,17.666 cw(c-142.937,18.45) D514.1@-143.721,18.45 -148.468,18.45 cw(c-148.467,18.958) -148.934,18.759 ; D504.1@-58.441,79.3 -58.534,79.393 ccw(c-60.33,77.597) -60.33,80.137 -61.153,80.137 ccw(c-61.153,78.061) -62.435,79.694 ; -34.834,16.797 ccw(c-32.994,20.01) -30.96,16.916 cw(c-30.679,16.493) -30.681,17.001 -13.006,17.001 ; -12.924,17.009 cw(c-13.006,17.435) -13.006,17.001 ; D501.1@-12.237,17.687 -12.237,17.689 D501.1@-12.256,17.935 -12.256,17.001 ; -9.456,54.463 D502.1@-9.456,53.935 -4.191,53.935 ; D503.1@-9.456,77.685 -9.552,77.622 -9.552,77.418 ccw(c-7.112,77.418) -7.112,74.978 -6.731,74.978 cw(c-6.731,72.438) -4.191,72.438 -4.191,53.935 ; -7.366,44.15 -7.366,37.951 cw(c-8.233,37.951) -7.376,37.821 ccw(c-6.873,37.746) -7.214,37.37 cw(c-9.118,35.25) -6.878,37.01 cw(c-9.118,35.25) -6.406,36.123 cw(c-9.118,35.25) -6.27,35.195 ccw(c-5.762,35.187) -6.27,35.189 -6.27,33.21 ccw(c-5.762,33.211) -6.198,32.951 ccw(c-5.762,33.211) -6.084,32.818 cw(c-7.721,30.805) -5.926,32.679 ; -5.858,32.612 ccw(c-7.721,30.805) -5.926,32.679 ; -4.191,51.51 -4.191,53.935 ; -199.817,20.785 cw(c-199.649,17.47) -199.649,20.789 ; -199.817,20.785 cw(c-199.649,17.47) -199.649,20.789 ; -199.649,20.789 cw(c-199.649,17.47) -196.675,18.943 cw(c-199.649,17.47) -196.59,18.759 ccw(c-196.123,18.958) -196.125,18.45 D513.1@-187.071,18.45 ccw(c-186.287,18.45) -186.287,17.666 -184.292,17.666 ccw(c-184.352,18.17) -183.853,18.077 cw(c-180.589,17.47) -183.843,18.127 cw(c-180.589,17.47) -180.595,20.789 -152.037,20.789 cw(c-152.037,20.281) -152.026,20.789 -152.025,20.789 cw(c-151.993,17.47) -150.368,20.364 cw(c-151.993,17.47) -148.934,18.759 ; -62.583,79.566 cw(c-61.153,78.061) -62.435,79.694 ; -62.583,79.566 ccw(c-63.387,80.645) -62.435,79.694 ; -13.006,17.001 -12.256,17.001 ; -12.256,17.001 -10.626,17.001 cw(c-10.628,16.493) -10.429,16.96 ccw(c-9.118,20.01) -6.827,17.608 ccw(c-9.118,20.01) -5.83,19.556 ccw(c-6.312,19.717) -5.804,19.715 -5.804,19.812 cw(c-5.296,19.81) -5.804,19.835 ccw(c-9.118,20.01) -5.804,20.185 cw(c-5.296,20.21) -5.804,20.208 -5.804,25.844 cw(c-5.296,25.842) -5.515,26.3 ccw(c-6.451,28.265) -5.004,29.89 cw(c-4.665,30.268) -5.165,30.354 ccw(c-7.721,30.805) -5.926,32.679
VCC3V3: C301.2 C302.2 C303.2 C304.2 C305.2 C308.2 CON302.1 CON303.2 R303.1 U301.1 U301.9 U301.24 U301.36 U301.48 U304.2 | length 103.3
  Component Side w0.203: -42.291,57.531 ccw(c-42.291,57.658) -42.164,57.658 CON302.1@-42.164,59.309
  Component Side w0.254: U304.2@-28.463,57.921 cw(c-28.463,57.398) -27.94,57.398 CON303.2@-27.94,46.482
  Component Side w0.3: v1(-59.563,56.896) -59.556,56.889 -59.556,55.888 C305.2@-59.548,55.88 -58.71,55.88 ccw(c-58.71,58.42) -56.914,56.624 U301.1@-56.902,56.636 ; v1(-59.548,58.824) C304.2@-59.548,59.817 -59.172,59.817 cw(c-59.172,58.926) -58.542,59.556 -58.328,59.342 ; C304.2@-59.546,59.817 C304.2@-59.298,59.809 ; -58.328,59.342 ccw(c-57.812,59.858) -57.812,59.128 -57.309,59.128 U301.48@-56.902,58.722 ; U301.9@-54.074,53.808 -54.68,53.201 ccw(c-53.931,52.451) -54.991,52.451 -54.991,52.295 ccw(c-53.257,52.295) C302.2@-54.483,51.069 -54.117,51.069 cw(c-54.117,50.292) v1(-53.34,50.292) ; U301.36@-50.927,62.611 -50.363,63.175 ccw(c-50.576,63.386) -50.28,63.34 cw(c-49.657,63.246) -49.783,63.863 ccw(c-49.845,64.157) -49.665,63.917 -49.665,63.997 C303.2@-49.53,64.247 ccw(c-50.179,63.598) -50.179,64.516 v1(-50.546,64.516) ; U301.24@-47.038,56.636 -47.032,56.642 C301.2@-43.449,56.642 ; v1(-43.449,55.649) C301.2@-43.449,56.642 ; R303.1@-40.005,56.657 ccw(c-40.879,56.657) -40.879,57.531 -42.291,57.531 -42.56,57.531 ccw(c-42.56,56.642) C301.2@-43.449,56.642
  Component Side w0.5: v3(-45.212,61.468) -45.05,61.63 cw(c-43.254,59.834) -43.254,62.374 -38.28,62.374 cw(c-38.28,59.834) -36.484,61.63 -33.537,58.683 ccw(c-31.741,60.479) -31.741,57.939 C308.2@-30.169,57.939 ; C308.2@-30.169,57.921 U304.2@-28.463,57.921
  Bottom Layer w0.5: v1(-59.563,56.896) -59.556,56.903 -59.556,58.816 v1(-59.548,58.824) -59.548,60.268 cw(c-57.008,60.268) -59.4,61.123 cw(c-57.008,60.268) -57.864,62.659 cw(c-57.008,60.268) -57.008,62.808 -53.597,62.808 ccw(c-53.599,63.308) -53.132,63.127 cw(c-52.451,62.865) -51.936,63.382 cw(c-52.451,62.865) -51.934,63.38 cw(c-52.451,62.865) -51.871,63.309 ccw(c-51.476,63.615) -51.777,63.215 cw(c-52.094,62.789) -51.719,63.165 ; v1(-53.34,50.292) -52.741,50.292 ccw(c-52.741,52.832) -50.945,51.036 -48.115,53.866 cw(c-46.319,52.07) -46.319,54.61 -44.488,54.61 ccw(c-44.488,55.649) -44.134,54.672 ccw(c-44.488,55.649) -43.511,55.295 ccw(c-44.488,55.649) v1(-43.449,55.649) -43.449,56.978 ccw(c-45.007,56.978) -43.905,58.079 cw(c-42.804,59.181) -44.361,59.181 -44.361,60.617 ccw(c-45.212,60.617) v3(-45.212,61.468) ; -51.718,63.164 -51.363,62.81 ccw(c-51.008,63.162) -51.36,62.807 -50.928,62.375 ccw(c-48.739,64.565) -50.927,62.373 ccw(c-48.739,64.565) -48.739,61.468 v3(-45.212,61.468) ; v1(-50.546,64.516) ccw(c-49.32,65.742) -49.32,64.008 -47.752,64.008 cw(c-47.752,61.468) -46.414,63.627 cw(c-47.752,61.468) -45.308,62.159 cw(c-47.752,61.468) v3(-45.212,61.468)
pads on no net: CON301. CON301.A8 CON301.B8 CON302.0 CON302.6 D301.1 D301.6 D517. D517.2 FID1.0 FID2.0 FID3.0 FID4.0 S201. S202. S203. S204. S205. S206. S207. S208. S209. S210. S211. S212. S213. S214. S215. S216. S217. S218. S219. S220. S221. S222. S223. S224. S225. S226. S227. S228. S228_2. S229. S230. S231. S232. S233. S234. S235. S236. S237. S238. S239. S240. S241. S242. S242_1. S243. S244. S245. S246. S247. S248. S249. S250. S251. S252. S253. S254. S256. S257. S258. S259. S260. S261. S261_1. S262. S262_1. S263. S263_1. S264. S264_1. S265. S265_1. S266. S269. STAB1. STAB2.@-265.225,44.907 STAB2.@-273.48,56.845 STAB2.@-280.465,44.907 STAB2.@-280.465,68.783 STAB3. U501. U501.M
copper on no net: | length 0.8
  Component Side w0.254: -222.033,11.755 -221.463,12.325

## Polygon pours and split planes (outlines as drawn)
GND on Bottom Layer "Component Side-No Net" (hatched 45Degree grid 1.397 track 0.203, remove dead copper, pour order 0): -0.599,94.203 -0.599,0.858 -284.571,0.858 -284.571,94.203
GND on Component Side "Component Side-No Net" (hatched 45Degree grid 1.397 track 0.203, remove dead copper, pour order 1): -0.635,93.995 -0.635,0.65 -284.607,0.65 -284.607,93.995

## Other copper
Component Side:
  region net GND: 1746 vertices and 2 holes, not listed, extent -118.148,6.82 -112.236,12.959

## Silkscreen, mask and mechanical layers (free items; w line width, h text height)
Top Overlay:
  text "ENC" at -252.984,62.865 h0.75
  text "B" at -254.889,58.42 h0.75
  text "GND" at -252.984,58.42 h0.75
  text "A" at -249.555,58.42 h0.75
  text "BL/RESET" at -32.051,48.352 h0.75
  text "Waffling: adj. or verb - indecisive; unable to make up one's mind; playing the safe middle ground due to one's own lack of conviction or sense of morality." at -244.094,39.751 h2.9
  text "Waffling60 -E2" at -147.401,1.815 h3
  text "MX" at -133.35,1.27 h1.75
Bottom Overlay:
  circle w0.4: c-64.712,19.883 r0.75
  circle w0.4: c-45.662,19.883 r0.75
  circle w0.4: c-223.646,5.207 r0.75
  circle w0.4: c-247.459,5.207 r0.75
  circle w0.4: c-271.271,5.207 r0.75
  circle w0.4: c-142.684,5.207 r0.75
  circle w0.4: c-61.721,5.207 r0.75
  circle w0.4: c-37.909,5.207 r0.75
  circle w0.4: c-14.097,5.207 r0.75
  lines w0.2: -240.284,17.653 -214.122,17.653 ; -234.397,20.391 -232.029,20.391 ; -222.559,20.391 -220.191,20.391 ; -69.537,17.145 -41.537,17.145 ; -62.185,19.883 -59.817,19.883 ; -50.347,19.883 -47.979,19.883 ; -235.104,20.391 -234.397,19.684 -234.397,21.098 -235.104,20.391 ; -220.191,19.684 -220.191,21.098 -219.484,20.391 -220.191,19.684 ; -62.892,19.883 -62.185,20.59 -62.185,19.176 -62.892,19.883 ; -47.979,19.176 -47.272,19.883 -47.979,20.59 -47.979,19.176
  text "< 10U" at -209.406,20.066 h1.52 r270
  text "< 7U" at -200.008,20.066 h1.52 r270
  text "< 6.25U" at -181.212,20.066 h1.52 r270
  text "< 2.75U" at -176.259,20.066 h1.52 r270
  text "< 3U" at -162.035,20.066 h1.52 r270
  text "< 2.75U" at -152.51,20.066 h1.52 r270
  text "< 2.25U" at -104.885,20.066 h1.52 r270
  text "< 7U" at -85.708,20.066 h1.52 r270
  text "< 10U" at -76.183,20.066 h1.52 r270
  text "< 3U" at -123.935,19.939 h1.52 r270
  text "< 6.25U" at -81.009,19.939 h1.52 r270
  text "x" at -237.725,19.704 h1.75
  text "x" at -218.167,19.704 h1.75
  text "X shows 6.25U space with 1.25U mods" at -214.63,18.157 h0.75
  text "Circles shows Tsangan layout, 7U space" at -41.783,17.649 h0.75
  text "< 6U" at -183.896,16.908 h1.52
  text "< 6U" at -88.138,16.908 h1.52
  text "< 3U" at -202.819,16.781 h1.52
  text "< 3U" at -84.737,14.874 h1.52 r90
  text "2.25U ^" at -76.073,13.606 h1.52
  text "x" at -273.983,4.591 h1.75
  text "x" at -250.171,4.591 h1.75
  text "x" at -226.358,4.591 h1.75
  text "x" at -202.546,4.591 h1.75
  text "x" at -131.108,4.591 h1.75
  text "x" at -59.671,4.591 h1.75
  text "x" at -35.858,4.591 h1.75
  text "x" at -12.046,4.591 h1.75
Top Solder:
  drawing of 2 lines, arcs and shapes, not listed
outline:
  lines w0.1: -131.361,94.414 ccw(c-128.211,95.149) -125.061,94.415 ; -131.361,94.415 -182.809,94.415 cw(c-185.924,95.339) -185.925,92.09 -186.179,92.09 ccw(c-186.18,91.366) -186.692,91.878 cw(c-189.125,94.471) -192.625,93.844 ccw(c-193.195,93.845) -193.196,94.415 -222.695,94.415 ccw(c-222.696,93.845) -223.266,93.844 cw(c-228.225,94.614) -233.184,93.844 ccw(c-233.754,93.845) -233.755,94.415 -243.178,94.415 ccw(c-243.179,93.845) -243.749,93.844 cw(c-247.249,94.471) -250.749,93.844 ccw(c-251.319,93.845) -251.32,94.415 -269.659,94.415 cw(c-272.775,95.341) -275.891,94.415 -282.85,94.415 ccw(c-282.849,92.414) -284.85,92.415 -284.85,39.215 -284.85,39.04 -280.759,39.04 cw(c-280.759,37.79) -280.759,36.54 -284.85,36.54 -284.85,2.215 ccw(c-282.849,2.216) -282.85,0.215 -275.891,0.215 cw(c-272.776,-0.709) -272.775,2.54 -269.318,2.54 ccw(c-269.319,3.455) -268.672,2.808 cw(c-266.3,0.158) -262.799,0.786 ccw(c-262.229,0.785) -262.228,0.215 -240.884,0.215 ccw(c-240.885,0.772) -240.328,0.771 cw(c-235.369,0.001) -230.41,0.771 ccw(c-229.853,0.772) -229.854,0.215 -193.196,0.215 ccw(c-193.195,0.785) -192.625,0.786 cw(c-189.125,0.16) -186.682,2.743 ccw(c-186.19,3.237) -186.193,2.54 -185.925,2.54 cw(c-185.924,-0.709) -182.809,0.215 -102.203,0.215 ; -125.061,94.415 -102.191,94.415 ccw(c-99.076,95.339) -99.075,92.09 -98.849,92.09 cw(c-98.85,91.29) -98.285,91.856 ccw(c-95.875,94.471) -92.375,93.844 cw(c-91.805,93.845) -91.804,94.415 -62.305,94.415 cw(c-62.304,93.845) -61.734,93.844 ccw(c-56.775,94.615) -51.816,93.844 cw(c-51.246,93.845) -51.245,94.415 -41.822,94.415 cw(c-41.821,93.845) -41.251,93.844 ccw(c-37.751,94.471) -34.251,93.844 cw(c-33.681,93.845) -33.68,94.415 -13.341,94.415 ccw(c-10.225,95.341) -7.109,94.415 -2.15,94.415 cw(c-2.151,92.414) -0.15,92.415 -0.15,39.04 -4.241,39.04 ccw(c-4.241,37.79) -4.241,36.54 -0.15,36.54 ; -102.203,0.204 cw(c-99.088,-0.72) -99.087,2.529 -98.833,2.529 ccw(c-98.832,3.253) -98.32,2.741 cw(c-95.875,0.159) -92.375,0.786 ccw(c-91.805,0.785) -91.804,0.215 -55.146,0.215 ccw(c-55.147,0.772) -54.59,0.771 cw(c-49.631,0.001) -44.672,0.771 ccw(c-44.115,0.772) -44.116,0.215 -22.772,0.215 ccw(c-22.771,0.785) -22.201,0.786 cw(c-18.701,0.16) -16.234,2.72 ccw(c-15.799,3.155) -15.8,2.54 -12.225,2.54 cw(c-12.224,-0.709) -9.109,0.215 -2.15,0.215 ccw(c-2.151,2.216) -0.15,2.215 -0.15,36.543
Mechanical 2:
  drawing of 158 lines, arcs and shapes, not listed
  text "REG-SPLIT" at -83.566,22.225 h1.52
  text "REG-SPLIT" at -154.686,21.717 h1.52
  text "REG+INF" at -51.667,21.64 h1.52
  text "TSANG-SPLIT" at -99.314,21.59 h1.52
  text "6U" at -203.2,21.463 h1.52
  text "TSANG-SPLIT" at -175.945,21.358 h1.52
  text "REG+INF" at -4.064,21.336 h1.52
  text "6.25U" at -193.421,21.209 h1.52
  text "TSANG" at -216.154,21.082 h1.52
  text "7U+6U offset" at -142.621,21.082 h1.52
  text "6U" at -131.699,21.082 h1.52
  text "REG+INF" at -27.918,21.005 h1.52
  text "TSANG" at -263.271,20.955 h1.52
  text "TSANG" at -239.776,20.955 h1.52
  text "6.25U" at -121.92,20.828 h1.52
  text "REG+INF" at -224.028,17.399 h1.52
  text "REG+INF" at -271.145,17.272 h1.52
  text "REG+INF" at -247.65,17.272 h1.52
  text "TSANG" at -11.684,17.145 h1.52
  text "TSANG" at -36.322,16.891 h1.52
  text "TSANG" at -59.69,16.764 h1.52
  text "REG-SPLIT" at -112.141,16.51 h1.52
  text "6U" at -231.14,12.573 h1.52
Mechanical 7:
  circle w0.254: c-209.174,2.23 r0.992
  circle w0.254: c-209.174,17.47 r0.992
  circle w0.254: c-199.649,17.47 r0.992
  circle w0.254: c-199.649,2.23 r0.992
  circle w0.254: c-180.589,2.23 r0.992
  circle w0.254: c-175.869,2.23 r0.992
  circle w0.254: c-175.869,17.47 r0.992
  circle w0.254: c-180.589,17.47 r0.992
  circle w0.254: c-161.549,17.47 r0.992
  circle w0.254: c-161.549,2.23 r0.992
  circle w0.254: c-151.993,2.23 r0.992
  circle w0.254: c-151.993,17.47 r0.992
  circle w0.254: c-123.449,17.47 r0.992
  circle w0.254: c-123.449,2.23 r0.992
  circle w0.254: c-104.431,2.23 r0.992
  circle w0.254: c-104.431,17.47 r0.992
  circle w0.254: c-85.349,2.23 r0.992
  circle w0.254: c-80.59,2.23 r0.992
  circle w0.254: c-75.824,2.23 r0.992
  circle w0.254: c-75.824,17.47 r0.992
  circle w0.254: c-80.59,17.47 r0.992
  circle w0.254: c-85.349,17.47 r0.992
  circle w0.254: c-11.531,9.215 r0.992
  circle w0.254: c-13.912,9.215 r0.992
  circle w0.254: c-35.343,9.215 r0.992
  circle w0.254: c-37.724,9.215 r0.992
  circle w0.254: c-56.774,9.215 r0.992
  circle w0.254: c-59.156,9.215 r0.992
  circle w0.254: c-61.537,9.215 r0.992
  circle w0.254: c-80.587,9.215 r0.992
  circle w0.254: c-92.493,9.215 r0.992
  circle w0.254: c-104.399,9.215 r0.992
  circle w0.254: c-125.823,9.215 r0.992
  circle w0.254: c-130.593,9.215 r0.992
  circle w0.254: c-142.499,9.215 r0.992
  circle w0.254: c-151.931,9.215 r0.992
  circle w0.254: c-163.931,9.215 r0.992
  circle w0.254: c-180.599,9.215 r0.992
  circle w0.254: c-202.031,9.215 r0.992
  circle w0.254: c-223.462,9.215 r0.992
  circle w0.254: c-225.843,9.215 r0.992
  circle w0.254: c-247.274,9.215 r0.992
  circle w0.254: c-249.656,9.215 r0.992
  circle w0.254: c-271.087,9.215 r0.992
  circle w0.254: c-273.468,9.215 r0.992
Mechanical 13:
  lines w0.1: -24.208,94.415 -13.477,94.415 ccw(c-10.327,95.149) -7.177,94.415 ; -23.553,94.415 -95.95,94.415 cw(c-99.1,95.149) -102.25,94.415 -182.75,94.415 cw(c-185.9,95.149) -189.05,94.415 -269.55,94.415 cw(c-272.7,95.149) -275.85,94.415 -282.85,94.415 ccw(c-282.85,92.415) -284.85,92.415 -284.85,36.565 -284.85,2.215 ccw(c-282.85,2.215) -282.85,0.215 -275.85,0.215 cw(c-272.7,-0.52) -269.55,0.215 -189.05,0.215 cw(c-185.9,-0.52) -182.75,0.215 -102.25,0.215 cw(c-99.1,-0.52) -95.95,0.215 -15.45,0.215 cw(c-12.3,-0.52) -9.15,0.215 -2.15,0.215 ccw(c-2.15,2.215) -0.15,2.215 -0.15,36.576 -0.15,92.415 ccw(c-2.15,92.415) -2.15,94.415 -7.15,94.415
Mechanical 14:
  lines w0.1: -151.931,9.215 -151.931,2.23 -104.431,2.23 ; -80.587,9.215 -56.774,9.215
Mechanical 16:
  drawing of 562 lines, arcs and shapes, not listed

## Text inside footprints (layer, text, board x,y; h text height)
CON301: Mechanical 15 "connector edge" at -15.25,95.5 h1 r180
S262: Mechanical 16 "7U" at -208.331,7.365 h1.52 r270; Mechanical 16 "6.25U" at -188.764,5.615 h1.52 r270